# Altium PCB MB1936.PcbDoc (part 3 of 13) (continued)
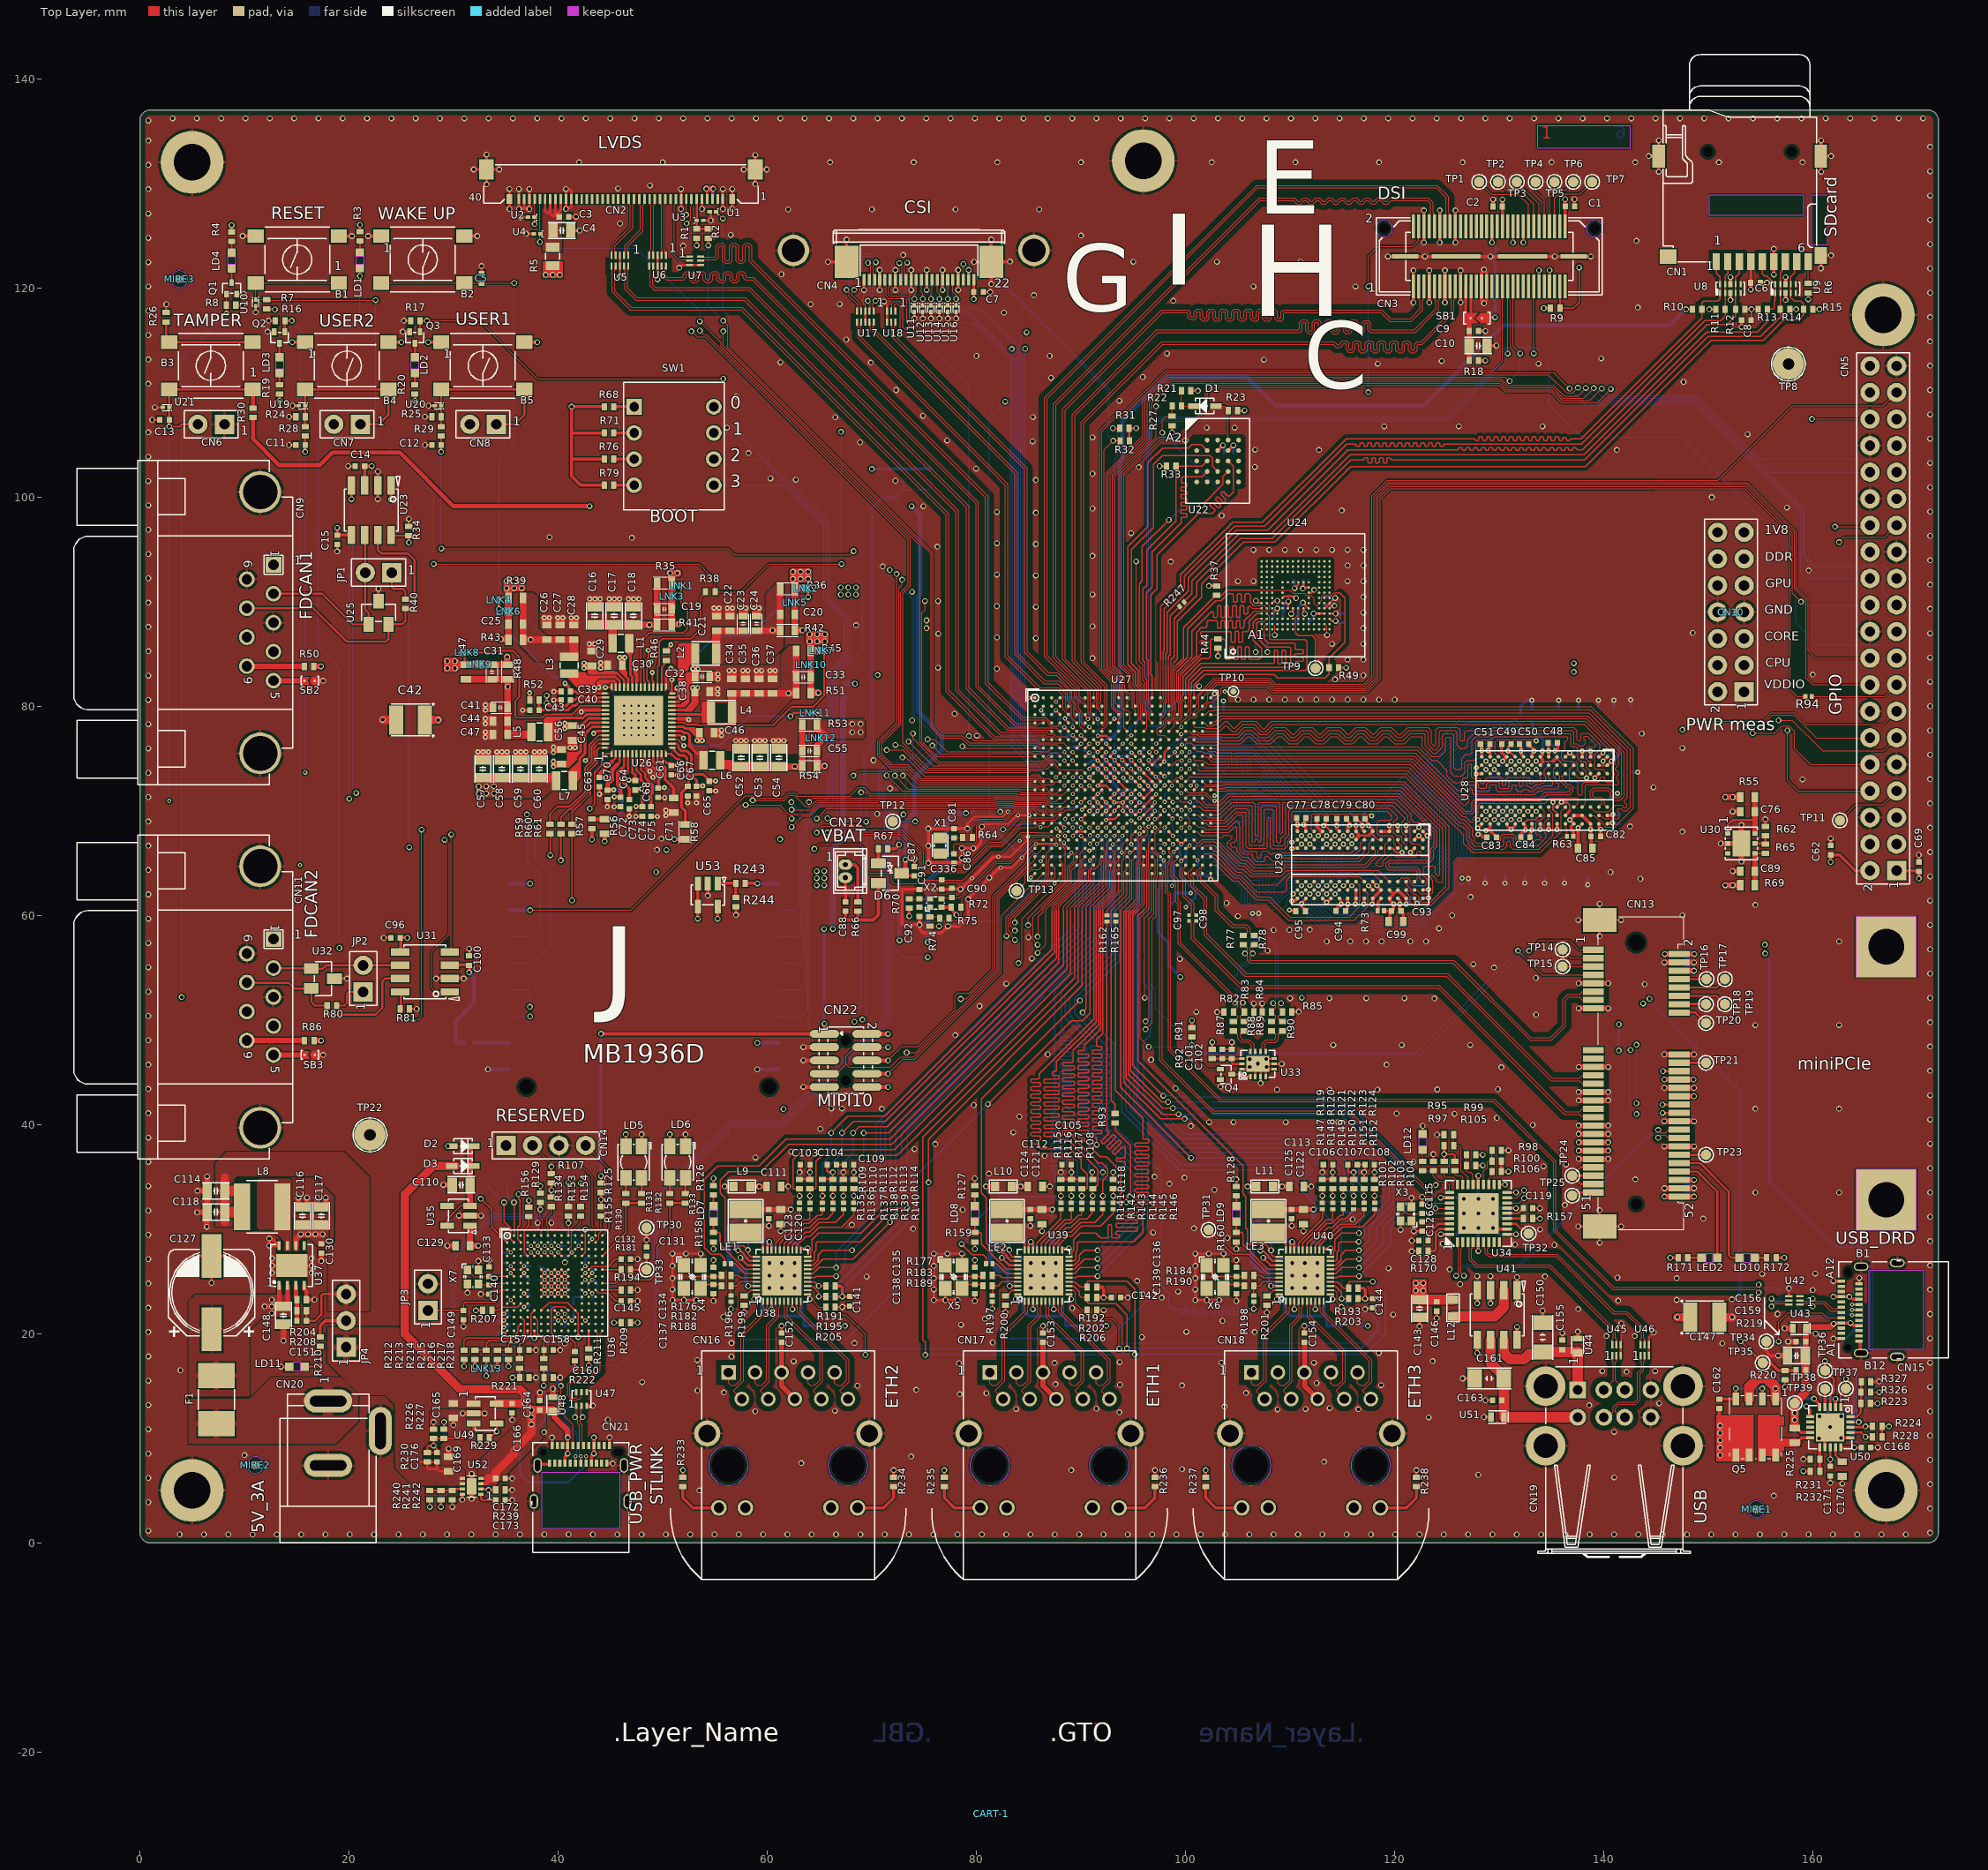
[diagram p0: Top Layer view]
## Part data (continued)
C97 C98: library part MCD-01535, "Capacitor, MLCC,100nF, 10V, X7R, +/-10%, 0201, T=0.3mm", Manufacturer=MURATA, Manufacturer_Part_Number=GRM033R61A104KE15, Package=0201, Component_Country_Of_Origin=Japan, ComponentLink1URL=http://tunmcdsvn.tun.st.com/Component_Documentation_Library/Trunk/Capacitor/MURATA_GRM_Series, ID=3635, Internal_Part_Number=MCD-01535, Order_Code_Digikey=490-5881-1-ND, Order_Code_Farnell=2470450, Order_Code_RS=790-2742, Part_Preference=Recommended, Part_Type=Capacitor, ShowFields=YES, Status=Checked
C110 C159: library part MCD-02372, "Capacitor, MLCC, 2.2uF, 25V, X7R, +/-10%, 0805, T=1,25mm", Manufacturer=MURATA, Manufacturer_Part_Number=GRM21BR71E225KE11L, Package=0805, Component_Country_Of_Origin=Japan, ComponentLink1URL=http://tunmcdsvn.tun.st.com/Component_Documentation_Library/Trunk/Capacitor/MURATA_GRM_Series/GRM21BR71E225KE11, ID=4478, Internal_Part_Number=MCD-02372, Order_Code_Digikey=490-14467, Order_Code_Farnell=2688538, Order_Code_RS=N/A, Part_Preference=Recommended, Part_Type=Capacitor, ShowFields=YES, Status=Released
C111 C112 C113 C120 C121 C122 C278 C279 C280 C286 C287 C288 C300 C301 C302 C330 C331 C332: library part MCD-00100, "Capacitor,22uF,6V3,X5R,20%,0603", Manufacturer=MURATA, Manufacturer_Part_Number=GRM188R60J226MEA0J, Package=0603, Component_Country_Of_Origin=Japan, ComponentLink1Description=Datasheet, ComponentLink1URL=http://tunmcdsvn.tun.st.com/Component_Documentation_Library/Trunk/Capacitor/MURATA_GRM_Series, ECCN_EU=NEC, ECCN_US=EAR99, ID=2766, Initial_Board_Reference=mb1262, Internal_Part_Number=MCD-00100, Order_Code_Digikey=490-7612-2-ND, Order_Code_Farnell=N/A, Order_Code_RS=N/A, Part_Preference=Recommended, Part_Type=Capacitor, Provided_By=SUBCO, ShowFields=YES, Status=Released
C114 C118: library part MCD-00204, "Capacitor, MLCC, 47uF, 10V, X5R, +/-20%, 0805, T=1,25mm", Alternate_Manufacturer=N/A, Manufacturer=MURATA, Manufacturer_Part_Number=GRM21BR61A476ME15K, Package=0805, Alternate_Manufacturer_Part_Number=N/A, Component_Country_Of_Origin=Japan, ComponentLink1Description=Part_Information, ComponentLink1URL=http://tunmcdsvn.tun.st.com/Component_Documentation_Library/Trunk/Capacitor/MURATA_GRM_Series, ID=2664, Internal_Part_Number=MCD-00204, Order_Code_Digikey=GRM21BR61A476ME15K-ND, Order_Code_Farnell=N/A, Order_Code_RS=N/A, Part_Preference=Recommended, Part_Type=Capacitor, ShowFields=YES, Status=Checked
C115 C126: library part MCD-00674, "Capacitor, MLCC, 6.8pF, 50V, NPO, +/-0.25pF, 0402, T=0.5mm", Manufacturer=YAGEO, Manufacturer_Part_Number=CC0402CRNPO9BN6R8, Package=0402, Component_Country_Of_Origin=China, ComponentLink1URL=http://tunmcdsvn.tun.st.com/Component_Documentation_Library/Trunk/Capacitor/YAGEO_NP0_Series, ID=3068, Internal_Part_Number=MCD-00674, Order_Code_Digikey=311-3327-1-ND, Order_Code_Farnell=N/A, Order_Code_RS=N/A, Part_Preference=Recommended, Part_Type=Capacitor, ShowFields=YES, Status=Released
C116: library part MCD-01525, "Capacitor, MLCC, 100nF, 50V, X7R, 10%, 0805, T=0,85mm", Alternate_Manufacturer=N/A, Manufacturer=YAGEO, Manufacturer_Part_Number=CC0805KRX7R9BB104, Package=0805, Alternate_Manufacturer_Part_Number=N/A, BMS_Part_Number=9142249, Component_Country_Of_Origin=China, ComponentLink1Description=Part_Information, ComponentLink1URL=http://tunmcdsvn.tun.st.com/Component_Documentation_Library/Trunk/Capacitor/YAGEO_X7R_Series, ID=3625, Internal_Part_Number=MCD-01525, Order_Code_Digikey=311-1140-1-ND, Order_Code_Farnell=3019949, Order_Code_RS=669-8842, Part_Preference=Recommended, Part_Type=Capacitor, ShowFields=YES, Status=Released
C117 C148: library part MCD-00014, "Capacitor, MLCC, 10uF, 25V, X5R, +/-10%, 0805, T=0,85mm", Alternate_Manufacturer=N/A, Manufacturer=YAGEO, Manufacturer_Part_Number=CC0805KRX5R8BB106, Package=0805, Alternate_Manufacturer_Part_Number=N/A, Component_Country_Of_Origin=China, ComponentLink1Description=Part_Information, ComponentLink1URL=http://tunmcdsvn.tun.st.com/Component_Documentation_Library/Trunk/Capacitor/YAGEO_X5R_Series, Full_Alternate_Internal_Part_Number=MCD-02385, ID=2468, Internal_Part_Number=MCD-00014, Order_Code_Digikey=311-3503-1-ND, Order_Code_Farnell=N/A, Order_Code_RS=N/A, Part_Preference=Recommended, Part_Type=Capacitor, ShowFields=YES, Status=Released
C127: library part MCD-01683, "Capacitor,Electrolytic,100uF,35V, 20%, SMT, D=8mm, T=10.5mm", Alternate_Manufacturer=N/A, Manufacturer="WURTH ELEKTRONIK", Manufacturer_Part_Number=865060553006, Package=8x10.5mm, Alternate_Manufacturer_Part_Number=N/A, Component_Country_Of_Origin=Unknown, ComponentLink1Description=Part_Information, ComponentLink1URL=http://tunmcdsvn.tun.st.com/Component_Documentation_Library/Trunk/Capacitor/WURTH-ELEKTRONIC_ASLL_Series, ID=3783, Internal_Part_Number=MCD-01683, Order_Code_Digikey=732-8586-1-ND, Order_Code_Farnell=2466219, Order_Code_RS=839-5753, Part_Preference=Recommended, Part_Type=Capacitor, Revision="July-2002: Re-released for DXP Platform.", ShowFields=YES, Status=Released
C130: library part MCD-01995, "Capacitor, MLCC, 22pF, 50V, C0G, 5%, 0402, T=0,5mm", Alternate_Manufacturer=N/A, Manufacturer=TDK, Manufacturer_Part_Number=C1005NP01H220J050BA, Package=0402, Alternate_Manufacturer_Part_Number=N/A, Component_Country_Of_Origin=Unknown, ComponentLink1Description=Part_Information, ComponentLink1URL=http://tunmcdsvn.tun.st.com/Component_Documentation_Library/Trunk/Capacitor/TDK_C_Series, ID=4095, Internal_Part_Number=MCD-01995, Order_Code_Digikey=445-13793-1-ND, Order_Code_Farnell=3416050RL, Order_Code_RS=N/A, Part_Preference=Recommended, Part_Type=Capacitor, ShowFields=YES, Status=Released
C131: library part MCD-00016, "Capacitor, MLCC, 20pF, 50V, NPO, +/- 5%, 0402, T=0.5mm", Manufacturer=YAGEO, Manufacturer_Part_Number=CC0402JRNPO9BN200, Package=0402, Component_Country_Of_Origin=China, ComponentLink1URL=http://tunmcdsvn.tun.st.com/Component_Documentation_Library/Trunk/Capacitor/YAGEO_NP0_Series, ID=2479, Internal_Part_Number=MCD-00016, Order_Code_Digikey=311-1417-1-ND, Order_Code_Farnell=N/A, Order_Code_RS=N/A, Part_Preference=Recommended, Part_Type=Capacitor, ShowFields=YES, Status=Released
C132 C145 C160 C178 C180 C181: library part MCD-02606, "Capacitor, MLCC, 2.2uF, 6.3V, X5R, +/-10%, 0402, T=0.5mm", Manufacturer=YAGEO, Manufacturer_Part_Number=CC0402KRX5R5BB225, Package=0402, ComponentLink1URL=http://tunmcdsvn.tun.st.com/Component_Documentation_Library/Trunk/Capacitor/YAGEO_X5R_Series, ID=4712, Internal_Part_Number=MCD-02606, Order_Code_Digikey=311-1682-2-ND, Order_Code_Farnell=3366429, Order_Code_RS=1992205, Part_Preference=Recommended, Part_Type=Capacitor, ShowFields=YES, Status=New
C133 C140: library part MCD-01774, "Capacitor, MLCC, 2.7pF, 50V, NPO, +/-0.1pF, 0402, T=0.5mm", Manufacturer=YAGEO, Manufacturer_Part_Number=CC0402BRNPO9BN2R7, Package=0402, Component_Country_Of_Origin=China, ComponentLink1URL=http://tunmcdsvn.tun.st.com/Component_Documentation_Library/Trunk/Capacitor/YAGEO_NP0_Series, ID=3874, Internal_Part_Number=MCD-01774, Order_Code_Digikey=311-1619-1-ND, Order_Code_Farnell=N/A, Order_Code_RS=N/A, Part_Preference=Recommended, Part_Type=Capacitor, ShowFields=YES, Status=Released
C134 C135 C136 C137 C138 C139: library part MCD-00015, "Capacitor,10pF,50V,NPO,5%,0402", Manufacturer=YAGEO, Manufacturer_Part_Number=CC0402JRNPO9BN100, Package=0402, Component_Country_Of_Origin=China, ComponentLink1Description=Datasheet, ComponentLink1URL=http://tunmcdsvn.tun.st.com/Component_Documentation_Library/Trunk/Capacitor/YAGEO_NP0_Series, ECCN_EU=n/a, ECCN_US=n/a, ID=2465, Initial_Board_Reference=mb1274, Internal_Part_Number=MCD-00015, Order_Code_Digikey=311-1014-1-ND, Order_Code_Farnell=3019160RL, Order_Code_RS=616-9256, Part_Preference=Recommended, Part_Type=Capacitor, Provided_By=SUBCO, ShowFields=YES, Status=Released
C150 C161: library part MCD-00104, "Capacitor, MLCC, 220uF, 6V3, X5R, +/-20%, 1206, T=1.6mm", Manufacturer=MURATA, Manufacturer_Part_Number=GRM31CR60J227ME11, Package=1206, Component_Country_Of_Origin=Japan, ComponentLink1URL=http://tunmcdsvn.tun.st.com/Component_Documentation_Library/Trunk/Capacitor/MURATA_GRM_Series, ID=2764, Internal_Part_Number=MCD-00104, Order_Code_Digikey=490-13970-1-ND, Order_Code_Farnell=2494472, Order_Code_RS=170-6396, Part_Preference=Recommended, Part_Type=Capacitor, ShowFields=YES, Status=Released
C151: library part MCD-00205, "Capacitor,MLCC,100pF,50V,NPO,+/-5%,0402,T=0,5mm", Alternate_Manufacturer=N/A, Manufacturer=YAGEO, Manufacturer_Part_Number=CC0402JRNPO9BN101, Package=0402, Alternate_Manufacturer_Part_Number=N/A, Component_Country_Of_Origin=China, ComponentLink1Description=Part_Information, ComponentLink1URL=http://tunmcdsvn.tun.st.com/Component_Documentation_Library/Trunk/Capacitor/YAGEO_NP0_Series, Fitted=YES, ID=2658, Internal_Part_Number=MCD-00205, Order_Code_Digikey=311-1024-1-ND, Order_Code_Farnell=3019226RL, Order_Code_RS=N/A, Part_Preference=Recommended, Part_Type=Capacitor, ShowFields=YES, Status=Released
C156 C164: library part MCD-00205, "Capacitor, MLCC, 100pF, 50V, NPO, +/-5%, 0402, T=0.5mm", Manufacturer=YAGEO, Manufacturer_Part_Number=CC0402JRNPO9BN101, Package=0402, Component_Country_Of_Origin=China, ComponentLink1URL=http://tunmcdsvn.tun.st.com/Component_Documentation_Library/Trunk/Capacitor/YAGEO_NP0_Series, ID=2658, Internal_Part_Number=MCD-00205, Order_Code_Digikey=311-1024-1-ND, Order_Code_Farnell=3019226RL, Order_Code_RS=N/A, Part_Preference=Recommended, Part_Type=Capacitor, ShowFields=YES, Status=Released
C162: library part MCD-01995, "Capacitor, MLCC, 22pF, 50V, C0G, +/-5%, 0402, T=0.5mm", Manufacturer=TDK, Manufacturer_Part_Number=C1005NP01H220J050BA, Package=0402, Component_Country_Of_Origin=Unknown, ComponentLink1URL=http://tunmcdsvn.tun.st.com/Component_Documentation_Library/Trunk/Capacitor/TDK_C_Series, ID=4095, Internal_Part_Number=MCD-01995, Order_Code_Digikey=445-13793-1-ND, Order_Code_Farnell=3416050RL, Order_Code_RS=N/A, Part_Preference=Recommended, Part_Type=Capacitor, ShowFields=YES, Status=Released
C166 C172: library part MCD-02355, "Capacitor, MLCC, 100nF, 25V, X7R, +/-10%, 0402, T=0.5mm", Manufacturer=WALSIN, Manufacturer_Part_Number=0402B104K250CT, Package=0402, Component_Country_Of_Origin=Unknown, ComponentLink1URL=http://tunmcdsvn.tun.st.com/Component_Documentation_Library/Trunk/Capacitor/WALSIN_Monolithic_Series/, ID=4461, Internal_Part_Number=MCD-02355, Order_Code_Digikey=1292-1175-1-ND, Order_Code_Farnell=2496772, Order_Code_RS=176-3114, Part_Preference=Recommended, Part_Type=Capacitor, ShowFields=YES, Status=Released
C168 C171: library part MCD-00724, "Capacitor, MLCC, 470pF, 50V, NPO, +/-5%, 0402, T=0.5mm", Manufacturer=YAGEO, Manufacturer_Part_Number=CC0402JRNPO9BN471, Package=0402, Component_Country_Of_Origin=China, ComponentLink1URL=http://tunmcdsvn.tun.st.com/Component_Documentation_Library/Trunk/Capacitor/YAGEO_NP0_Series, ID=3023, Internal_Part_Number=MCD-00724, Order_Code_Digikey=311-1671-1-ND, Order_Code_Farnell=3366416, Order_Code_RS=199-2186, Part_Preference=Recommended, Part_Type=Capacitor, ShowFields=YES, Status=Released
C170: library part MCD-01099, "Capacitor, MLCC, 100nF, 50V, X7R, +/-10%, 0603, T=0.8mm", Manufacturer=YAGEO, Manufacturer_Part_Number=CC0603KRX7R9BB104, Package=0603, BMS_Part_Number=9142278, Component_Country_Of_Origin=China, ComponentLink1URL=http://tunmcdsvn.tun.st.com/Component_Documentation_Library/Trunk/Capacitor/YAGEO_X7R_Series, ID=3397, Internal_Part_Number=MCD-01099, Order_Code_Digikey=311-1344-1-ND, Order_Code_Farnell=1362556, Order_Code_RS=669-8767, Part_Preference=Recommended, Part_Type=Capacitor, ShowFields=YES, Status=Released
C190 C191 C192 C193 C194 C195 C196 C197 C201 C205 C206 C212 C234 C244 C246 C248 C249 C251 C252 C253 C260: library part MCD-01535, "Capacitor, MLCC,100nF, 10V, X7R, +/-10%, 0201, T=0.3mm", Alternate_Manufacturer=N/A, Manufacturer=MURATA, Manufacturer_Part_Number=GRM033R61A104KE15, Package=0201, Alternate_Manufacturer_Part_Number=N/A, ComponentLink1URL=http://tunmcdsvn.tun.st.com/Component_Documentation_Library/Trunk/Capacitor/MURATA_GRM_Series, Internal_Part_Number=MCD-01535, Order_Code_Digikey=490-5881-1-ND, Order_Code_Farnell=2470450, Order_Code_RS=790-2742, Part_Preference=Recommended, Part_Type=Capacitor, Status=Checked
C199 C200 C203 C204 C207 C208 C209 C210 C213 C214 C215 C216 C217 C218 C219 C220 C221 C222 C223 C224 C227 C228 C229 C230 C231 C232 C233 C237 C240 C241 C242 C243 C250: library part MCD-02377, "Capacitor, MLCC, 1uF, 6.3V, X5R, +/-20%, 0201, T=0,3mm", Alternate_Manufacturer=N/A, Manufacturer=MURATA, Manufacturer_Part_Number=GRM033R60J105MEA2, Package=0201, Alternate_Manufacturer_Part_Number=N/A, ComponentLink1URL=http://tunmcdsvn.tun.st.com/Component_Documentation_Library/Trunk/Capacitor/MURATA_GRM_Series/GRM033R60J105MEA2/, Internal_Part_Number=MCD-02377, Order_Code_Digikey=490-7229-2-ND, Order_Code_Farnell=2470448, Order_Code_RS=820-0643, Part_Preference=Recommended, Part_Type=Capacitor, Status=Checked
C225: library part MCD-01534, "Capacitor, MLCC, 4,7uF, 6V3, X5R, +/-20%, 0201, T=0.5mm", Alternate_Manufacturer=N/A, Manufacturer=MURATA, Manufacturer_Part_Number=GRM035R60J475ME15, Package=0201, Alternate_Manufacturer_Part_Number=N/A, ComponentLink1URL=http://tunmcdsvn.tun.st.com/Component_Documentation_Library/Trunk/Capacitor/MURATA_GRM_Series, Internal_Part_Number=MCD-01534, Order_Code_Digikey=490-13230-1-ND, Order_Code_Farnell=N/A, Order_Code_RS=N/A, Part_Preference=Recommended, Part_Type=Capacitor, Status=Checked
C235: library part MCD-02235, "Capacitor, MLCC, 2.2uF, 10V, X5R,+/-10%, 0201, T=0.5mm", Manufacturer=MURATA, Manufacturer_Part_Number=GRM033R61A225KE47D, Package=0201, Component_Country_Of_Origin=Japan, ComponentLink1URL=http://tunmcdsvn.tun.st.com/Component_Documentation_Library/Trunk/Capacitor/MURATA_GRM_Series, ID=4335, Internal_Part_Number=MCD-02235, Order_Code_Digikey=490-13227-1-ND, Order_Code_Farnell=NA, Order_Code_RS=NA, Part_Preference=Recommended, Part_Type=Capacitor, ShowFields=YES, Status=Checked
C265 C266 C267 C268 C269 C272 C274: library part MCD-00697, "Capacitor, MLCC, 100nF,10V, X5R, +/-10%, 0201, T=0.3mm", Manufacturer=TDK, Manufacturer_Part_Number=C0603X5R1A104K030BC, Package=0201, Component_Country_Of_Origin=Unknown, ComponentLink1URL=http://tunmcdsvn.tun.st.com/Component_Documentation_Library/Trunk/Capacitor/TDK_MCC_Series, ID=3046, Internal_Part_Number=MCD-00697, Order_Code_Digikey=445-7318-1-ND, Order_Code_Farnell=2524957, Order_Code_RS=N/A, Part_Preference=Recommended, Part_Type=Capacitor, ShowFields=YES, Status=Released
C336: library part MCD-00011, "Capacitor, MLCC, 10nF, 16V, X7R, 10%, 0402, T=0.5mm", Manufacturer=YAGEO, Manufacturer_Part_Number=CC0402KRX7R7BB103, Package=C0402, ComponentLink1Description=Datasheet, ComponentLink1URL=http://tunmcdsvn.tun.st.com/Component_Datasheet_Library/Trunk/Capacitors/Yageo_Multilayer_Capacitor_X7R_series_100pF_to_22uF, ECCN_EU=n/a, ECCN_US=n/a, Initial_Board_Reference=MB1274, Internal_Part_Number=MCD-00011, Part_Type=Capacitor, Provided_By=SUBCO, Status=Released
CN1: library part MCD-00653, "Connector_uSD Card, Top Mnt Push-Push", Manufacturer=ATOM, Component_Country_Of_Origin=Unknown, ComponentLink1URL=http://tunmcdsvn.tun.st.com/Component_Documentation_Library/Trunk/Connector/ATOM_MR01A-01211/, ID=3087, Internal_Part_Number=MCD-00653, Manufacturer_Part_Number=MR01A-01211, Order_Code_Digikey=N/A, Order_Code_Farnell=N/A, Order_Code_RS=N/A, Part_Preference=Recommended, Part_Type=Connector, ShowFields=YES, Status=Released
CN2: library part MCD-03562, "Socket_FFC/FPC, 40pins, 0.5mm, RA, SMD, T=1mm", Manufacturer=I-PEX, Manufacturer_Part_Number=20455-040E-76, Component_Country_Of_Origin=Unknown, ComponentLink1URL=http://tunmcdsvn.tun.st.com/Component_Documentation_Library/Trunk/Connector/I-PEX_20455-040E-76, Full_Alternate_Internal_Part_Number=MCD-02298, ID=5678, Internal_Part_Number=MCD-03562, Order_Code_Digikey=3508-20455-040E-76TR-ND, Order_Code_Farnell=N/A, Order_Code_RS=N/A, Part_Preference=Recommended, Part_Type=Connector, ShowFields=YES, Status=New
CN3: library part MCD-00137, "Socket, 30x2, 0.5mm, VR, SMD, T=3.05mm", Manufacturer=SAMTEC, Manufacturer_Part_Number=QSH-030-01-F-D-A, BMS_Part_Number=9183715, Component_Country_Of_Origin="China, Costa Rica, Malaysia, United States, Vietnam", ComponentLink1URL=http://tunmcdsvn.tun.st.com/Component_Documentation_Library/Trunk/Connector/SAMTEC_QSH_Series/, ID=2732, Internal_Part_Number=MCD-00137, Order_Code_Digikey=SAM10650-ND, Order_Code_Farnell=2779330, Order_Code_RS=180-2952, Part_Preference=Recommended, Part_Type=Connector, ShowFields=YES, Status=Released
CN4: library part MCD-03600, "Socket_FFC/FPC, 22pins, 0.5mm, RA, SMD, T=2mm", Manufacturer="TE CONNECTIVITY", Component_Country_Of_Origin=China°, ComponentLink1URL=http://tunmcdsvn.tun.st.com/Component_Documentation_Library/Trunk/Connector/TE_CONNECTIVITY_2-1734592-2, ID=5716, Internal_Part_Number=MCD-03600, Manufacturer_Part_Number=2-1734592-2, Order_Code_Digikey=A101307TR-ND, Order_Code_Farnell=3398660, Order_Code_RS=N/A, Part_Preference=Recommended, Part_Type=Connector, ShowFields=YES, Status=New
CN5: library part MCD-00302, "Header, 20x2, 2.54mm, VR, TH, T=5.84mm/2.54mm", Manufacturer=SAMTEC, Manufacturer_Part_Number=TSW-120-07-G-D, Component_Country_Of_Origin="China, Costa Rica, Malaysia, United States, Vietnam", ComponentLink1URL=http://tunmcdsvn.tun.st.com/Component_Documentation_Library/Trunk/Connector/SAMTEC_TSW_Series/, ID=2567, Internal_Part_Number=MCD-00302, Order_Code_Digikey=SAM1028-20-ND, Order_Code_Farnell=2779689, Order_Code_RS=180-2456, Part_Preference=Recommended, Part_Type=Connector, ShowFields=YES, Status=Released
CN6 CN7 CN8: library part MCD-00032, "Header, 2x1, 2,54mm, VR, TH, Height 5.84mm/2.54mm", Alternate_Manufacturer=JIUBABA, Alternate_Manufacturer_Part_Number=313102S111116, Manufacturer=SAMTEC, Manufacturer_Part_Number=TSW-102-07-G-S, Component_Country_Of_Origin="China, Costa Rica, Malaysia, United States, Vietnam", ComponentLink1URL=http://tunmcdsvn.tun.st.com/Component_Documentation_Library/Trunk/Connector/SAMTEC_TSW_Series/, ID=2484, Internal_Part_Number=MCD-00032, Order_Code_Digikey=SAM1029-02-ND, Order_Code_Farnell=2505044, Order_Code_RS=155-5312, Part_Preference=Recommended, Part_Type=Connector, ShowFields=YES, Status=Released
CN9 CN11: library part MCD-01978, "Connector_DB9-Male, 9pins, 1.39mm, RA, TH, T= 13.575mm/3.8mm", Manufacturer="TE CONNECTIVITY", Manufacturer_Part_Number=2301843-2, Package=TH, Component_Country_Of_Origin=China, ComponentLink1URL=http://tunmcdsvn.tun.st.com/Component_Documentation_Library/Trunk/Connector/TYCO_2301843-2/, ID=4078, Internal_Part_Number=MCD-01978, Order_Code_Digikey=A132511-ND, Order_Code_Farnell=2857983, Order_Code_RS=N/A, Part_Preference=Recommended, Part_Type=Connector, ShowFields=YES, Status=Released
CN10: library part MCD-02123, "Header, 7x2, 2,54mm, VR, TH, Height 5.84mm/2.54mm", Alternate_Manufacturer=N/A, Manufacturer=SAMTEC, Manufacturer_Part_Number=TSW-107-07-G-D, Alternate_Manufacturer_Part_Number=N/A, Component_Country_Of_Origin="China, Costa Rica, Malaysia, United States, Vietnam", ComponentLink1Description=Part_Information, ComponentLink1URL=http://tunmcdsvn.tun.st.com/Component_Documentation_Library/Trunk/Connector/SAMTEC_TSW_Series/, ID=4223, Internal_Part_Number=MCD-02123, Order_Code_Digikey=N/A, Order_Code_Farnell=N/A, Order_Code_RS=N/A, Part_Preference=Recommended, Part_Type=Connector, ShowFields=YES, Status=Checked
CN12: library part MCD-00655, "Header 2 circuits, 1.25mm Pitch ,  Vertical, with Friction Lock", Alternate_Manufacturer=N/A, Manufacturer=MOLEX, Manufacturer_Part_Number=53047-0210, Alternate_Manufacturer_Part_Number=N/A, BMS_Part_Number=9083002, Component_Country_Of_Origin=Unknown, ComponentLink1Description=Datasheet, ComponentLink1URL=http://tunmcdsvn.tun.st.com/Component_Documentation_Library/Trunk/Connector/MOLEX_53047-0210/, ECCN_EU=n/a, ECCN_US=n/a, ID=3091, Initial_Board_Reference=MB1272, Internal_Part_Number=MCD-00655, Order_Code_Digikey=WM1731-ND, Order_Code_Farnell=9733051, Order_Code_RS=279-9213, Part_Preference=Recommended, Part_Type=Connector, Provided_By=SUBCO, ShowFields=YES, Status=Released
CN13: library part MCD-02227, "Socket_Mini PCIE, 52 pins, RA, SMD, T=4mm", Manufacturer="TE CONNECTIVITY", Manufacturer_Part_Number=2041119-1, Component_Country_Of_Origin=China, ComponentLink1URL=http://tunmcdsvn.tun.st.com/Component_Documentation_Library/Trunk/Connector/TE_CONNECTIVITY_2041119_Series/, ID=4327, Internal_Part_Number=MCD-02227, Order_Code_Digikey=A108265TR-ND, Order_Code_Farnell=3133832, Order_Code_RS=186-5008, Part_Preference=Recommended, Part_Type=Connector, ShowFields=YES, Status=Checked
CN14: library part MCD-00029, "Header, 4x1, 2.54mm, VR, TH, T=5.84mm/2.54mm", Manufacturer=SAMTEC, Manufacturer_Part_Number=TSW-104-07-G-S, Component_Country_Of_Origin="China, Costa Rica, Malaysia, United States, Vietnam", ComponentLink1URL=http://tunmcdsvn.tun.st.com/Component_Documentation_Library/Trunk/Connector/SAMTEC_TSW_Series/, ID=2487, Internal_Part_Number=MCD-00029, Order_Code_Digikey=TSW-104-07-G-S-ND, Order_Code_Farnell=2667450, Order_Code_RS=161-2261, Part_Preference=Recommended, Part_Type=Connector, ShowFields=YES, Status=Released
CN15 CN21: library part MCD-03232, "USB_TypeC, 24 pins, RA, SMD, T=2.96mm", Manufacturer="AMPHENOL ICC", Manufacturer_Part_Number=12401826E412A, Component_Country_Of_Origin=China°, ComponentLink1URL=http://tunmcdsvn.tun.st.com/Component_Documentation_Library/Trunk/Connector/AMPHEMOL_ICC_12401826E412A, ID=5348, Internal_Part_Number=MCD-03232, Order_Code_Digikey=12401826E412ATR-ND, Order_Code_Farnell=3727763, Order_Code_RS=N/A, Part_Preference=Recommended, Part_Type=Connector, ShowFields=YES, Status=Released
CN16 CN17 CN18: library part MCD-01129, "Connector_RJ45, led pull down, T= 13.84mm", Manufacturer="YUAN DEAN SCIENTIFIC", Manufacturer_Part_Number=48F-01GYDXNL, Component_Country_Of_Origin=Unknown, ComponentLink1URL=http://tunmcdsvn.tun.st.com/Component_Documentation_Library/Trunk/Connector/YUAN_DEAN_SCIENTIFIC_48F_Series/, ID=3367, Internal_Part_Number=MCD-01129, Order_Code_Digikey=N/A, Order_Code_Farnell=N/A, Order_Code_RS=N/A, Part_Preference=Recommended, Part_Type=Connector, ShowFields=YES, Status=New
CN19: library part MCD-00109, "USB_Dual-TypeA, Receptacle, 8pins, 2.5mm, RA, TH, T= 15.5mm", Manufacturer=CONEXCON, Manufacturer_Part_Number=5600-3081, Component_Country_Of_Origin=Unknown, ComponentLink1URL=http://tunmcdsvn.tun.st.com/Component_Documentation_Library/Trunk/Connector/CONEXCON_5600_Series/, ID=2756, Internal_Part_Number=MCD-00109, Order_Code_Digikey=N/A, Order_Code_Farnell=N/A, Order_Code_RS=N/A, Part_Preference=Recommended, Part_Type=Connector, ShowFields=YES, Status=Released
CN20: library part MCD-00173, "DC-Power-Jack, 2.5mm, 5A, RA, TH", Alternate_Manufacturer=N/A, Manufacturer=CLIFF, Alternate_Manufacturer_Part_Number=N/A, BMS_Part_Number=9087803, Component_Country_Of_Origin=Taiwan, ComponentLink1Description=Part_Information, ComponentLink1URL=http://tunmcdsvn.tun.st.com/Component_Documentation_Library/Trunk/Connector/CLIFF_DC_Series/, ID=2695, Internal_Part_Number=MCD-00173, Manufacturer_Part_Number=DC10B, Order_Code_Digikey=N/A, Order_Code_Farnell=224960, Order_Code_RS=N/A, Part_Preference=Recommended, Part_Type=Connector, ShowFields=YES, Status=Released
CN22: library part MCD-01951, "Header, 5x2, 1.27mm, VR, SMD, T=5.97mm", Manufacturer=SAMTEC, Manufacturer_Part_Number=FTSH-105-01-L-DV-K-A, Package=SMT, Component_Country_Of_Origin="China, Costa Rica, Malaysia, United States, Vietnam", ComponentLink1URL=http://tunmcdsvn.tun.st.com/Component_Documentation_Library/Trunk/Connector/SAMTEC_FTSH_Series/, ID=4051, Internal_Part_Number=MCD-01951, Order_Code_Digikey=SAM9439-ND, Order_Code_Farnell=2856879, Order_Code_RS=159-2343, Part_Preference=Recommended, Part_Type=Connector, ShowFields=YES, Status=Released
CN25: library part MCD-03517, "Socket , mikroBUS , 16 , SMD , Gray", Manufacturer=MIKROE, Component_Country_Of_Origin=Serbia, ComponentLink1URL=http://tunmcdsvn.tun.st.com/Component_Documentation_Library/Trunk/Connector/MIKROE_4319, ID=5633, Internal_Part_Number=MCD-03517, Manufacturer_Part_Number=MIKROE-4319, Order_Code_Digikey=1471-MIKROE-4319-ND, Order_Code_Farnell=N/A, Order_Code_RS=N/A, Part_Preference=Recommended, Part_Type=Connector, ShowFields=YES, Status=Checked
D1 D5: library part MCD-00034, Manufacturer=STMICROELECTRONICS, Manufacturer_HQ_COO=EU, BMS_Part_Number=9151097, Component_Country_Of_Origin=China, ComponentLink1URL=http://tunmcdsvn.tun.st.com/Component_Datasheet_Library/Trunk/Diodes/STM_Diode_BAT60JFILM-SOD323, ID=2483, Internal_Part_Number=MCD-00034, Manufacturer_Part_Number=BAT60JFILM, Part_Preference=Recommended, Part_Type=Diode, ShowFields=YES, Status=Released
D2 D3: library part MCD-03011, "Signal Schottky Diode, If=1A, Ifsm=5A, Vf =0.54V@1A, Vrrm=23V, Ir = 0.65µA@5V, SOD-323", Manufacturer=STMICROELECTRONICS, Manufacturer_Part_Number=BAT20JFILM, Package=SOD-323, ComponentLink1URL=http://tunmcdsvn.tun.st.com/Component_Documentation_Library/Trunk/Diode/STMICROELECTRONICS_BAT20J, ID=5127, Internal_Part_Number=MCD-03011, Order_Code_Digikey=497-3381-2-ND, Order_Code_Farnell=2354440, Order_Code_RS=165-7545, Part_Preference=Recommended, Part_Type=Diode, ShowFields=YES, Status=New
D6: library part MCD-03280, "Diode, Schottky, Dual Common Cathode, 0V3, 300mA, 40V, SOT-23", Manufacturer=STMICROELECTRONICS, Manufacturer_Part_Number=BAT54CFILM, Package=SOT-23, Component_Country_Of_Origin=China, ComponentLink1URL=http://tunmcdsvn.tun.st.com/Component_Documentation_Library/Trunk/Diode/STMICROELECTRONICS_BAT54_Series, Full_Alternate_Internal_Part_Number="BAT54C+, BAT54CLT1G, BAT54C-7-F, BAT54C,215", ID=5396, Internal_Part_Number=MCD-03280, Order_Code_Digikey=N/A, Order_Code_Farnell=9801499, Order_Code_RS=795-8397, Part_Preference=Recommended, Part_Type=Diode, ShowFields=YES, Status=New
F1: library part MCD-00624, "SMD, PTC resettable fuse, IH:2.6A, IT:5A, Vdc_max:8V, Rmax:47mohm, BELFUSE", Manufacturer=BELFUSE, Component_Country_Of_Origin=Unknown, ComponentLink1Description=Part_Information, ComponentLink1URL=http://tunmcdsvn.tun.st.com/Component_Datasheet_Library/Trunk/Misc/BELFUSE_FUSE_PTC_0ZCG_series, ID=3118, Internal_Part_Number=MCD-00624, Manufacturer_Part_Number=0ZCG0260FF2C, Part_Preference=Recommended, Part_Type=Misc, ShowFields=YES, Status=Checked
JP1 JP2: library part MCD-00045, "Header, 2x1, 2,54mm, VR, TH, Height 5.84mm/2.54mm", Alternate_Manufacturer="JIUBABA; LIANYI", Alternate_Manufacturer_Part_Number=313102S111116;313102S111116, Manufacturer=SAMTEC, Manufacturer_Part_Number=TSW-102-07-G-S, Alternate_Internal_Part_Number=MCD-02390, Component_Country_Of_Origin="China, Costa Rica, Malaysia, United States, Vietnam", ComponentLink1Description=Datasheet, ComponentLink1URL=http://tunmcdsvn.tun.st.com/Component_Documentation_Library/Trunk/Connector/SAMTEC_TSW_Series/, ID=2545, Internal_Part_Number=MCD-00045, Order_Code_Digikey=SAM1029-02-ND, Order_Code_Farnell=2505044, Order_Code_RS=155-5312, Part_Preference=Recommended, Part_Type=Connector, Provided_By=SUBCO, ShowFields=YES, Status=Released
JP3: library part MCD-00045, "Header, 2x1, 2.54mm, VR, TH, T=5.84mm/2.54mm", Manufacturer=SAMTEC, Manufacturer_Part_Number=TSW-102-07-G-S, Alternate_Internal_Part_Number=MCD-02390, Component_Country_Of_Origin="China, Costa Rica, Malaysia, United States, Vietnam", ComponentLink1URL=http://tunmcdsvn.tun.st.com/Component_Documentation_Library/Trunk/Connector/SAMTEC_TSW_Series/, Full_Alternate_Internal_Part_Number=MCD-02390, ID=2545, Internal_Part_Number=MCD-00045, Order_Code_Digikey=SAM1029-02-ND, Order_Code_Farnell=2505044, Order_Code_RS=155-5312, Part_Preference=Recommended, Part_Type=Connector, ShowFields=YES, Status=Released
JP4: library part MCD-00111, "Header, 3x1, 2.54mm, VR, TH, T=5.84mm/2.54mm", Manufacturer=SAMTEC, Manufacturer_Part_Number=TSW-103-07-F-S, Component_Country_Of_Origin="China, Costa Rica, Malaysia, United States, Vietnam", ComponentLink1URL=http://tunmcdsvn.tun.st.com/Component_Documentation_Library/Trunk/Connector/SAMTEC_TSW_Series/, ID=2760, Internal_Part_Number=MCD-00111, Order_Code_Digikey=SAM8995-ND, Order_Code_Farnell=2505043, Order_Code_RS=161-2248, Part_Preference=Recommended, Part_Type=Connector, ShowFields=YES, Status=Released
L1 L6: library part MCD-03143, "Inductor, 2.2uH, +/-20%, Itemp= 1700mA, Isat= 2400mA, 0R140, 0806, T=1mm", Manufacturer=MURATA, Manufacturer_Part_Number=DFE201610E-2R2M=P2, Package=0806, ComponentLink1URL=http://tunmcdsvn.tun.st.com/Component_Documentation_Library/Trunk, ID=5259, Internal_Part_Number=MCD-03143, Order_Code_Digikey="490-17728-2-ND -", Order_Code_Farnell=N/A, Order_Code_RS=N/A, Part_Preference=Recommended, Part_Type=Inductor, ShowFields=YES, Status=New